# Altium PCB 智能车主板.PcbDoc (part 3 of 3)
Units mil, origin at the board's own origin, x right, y up, seen from the top; angles counter-clockwise.
Board outline 5500 x 3935 mil, 4 copper layers (Top, GND02, PWR03, Bottom), stack 23.756 mil thick; 203 components, 185 nets, 860 pads, 262 vias.
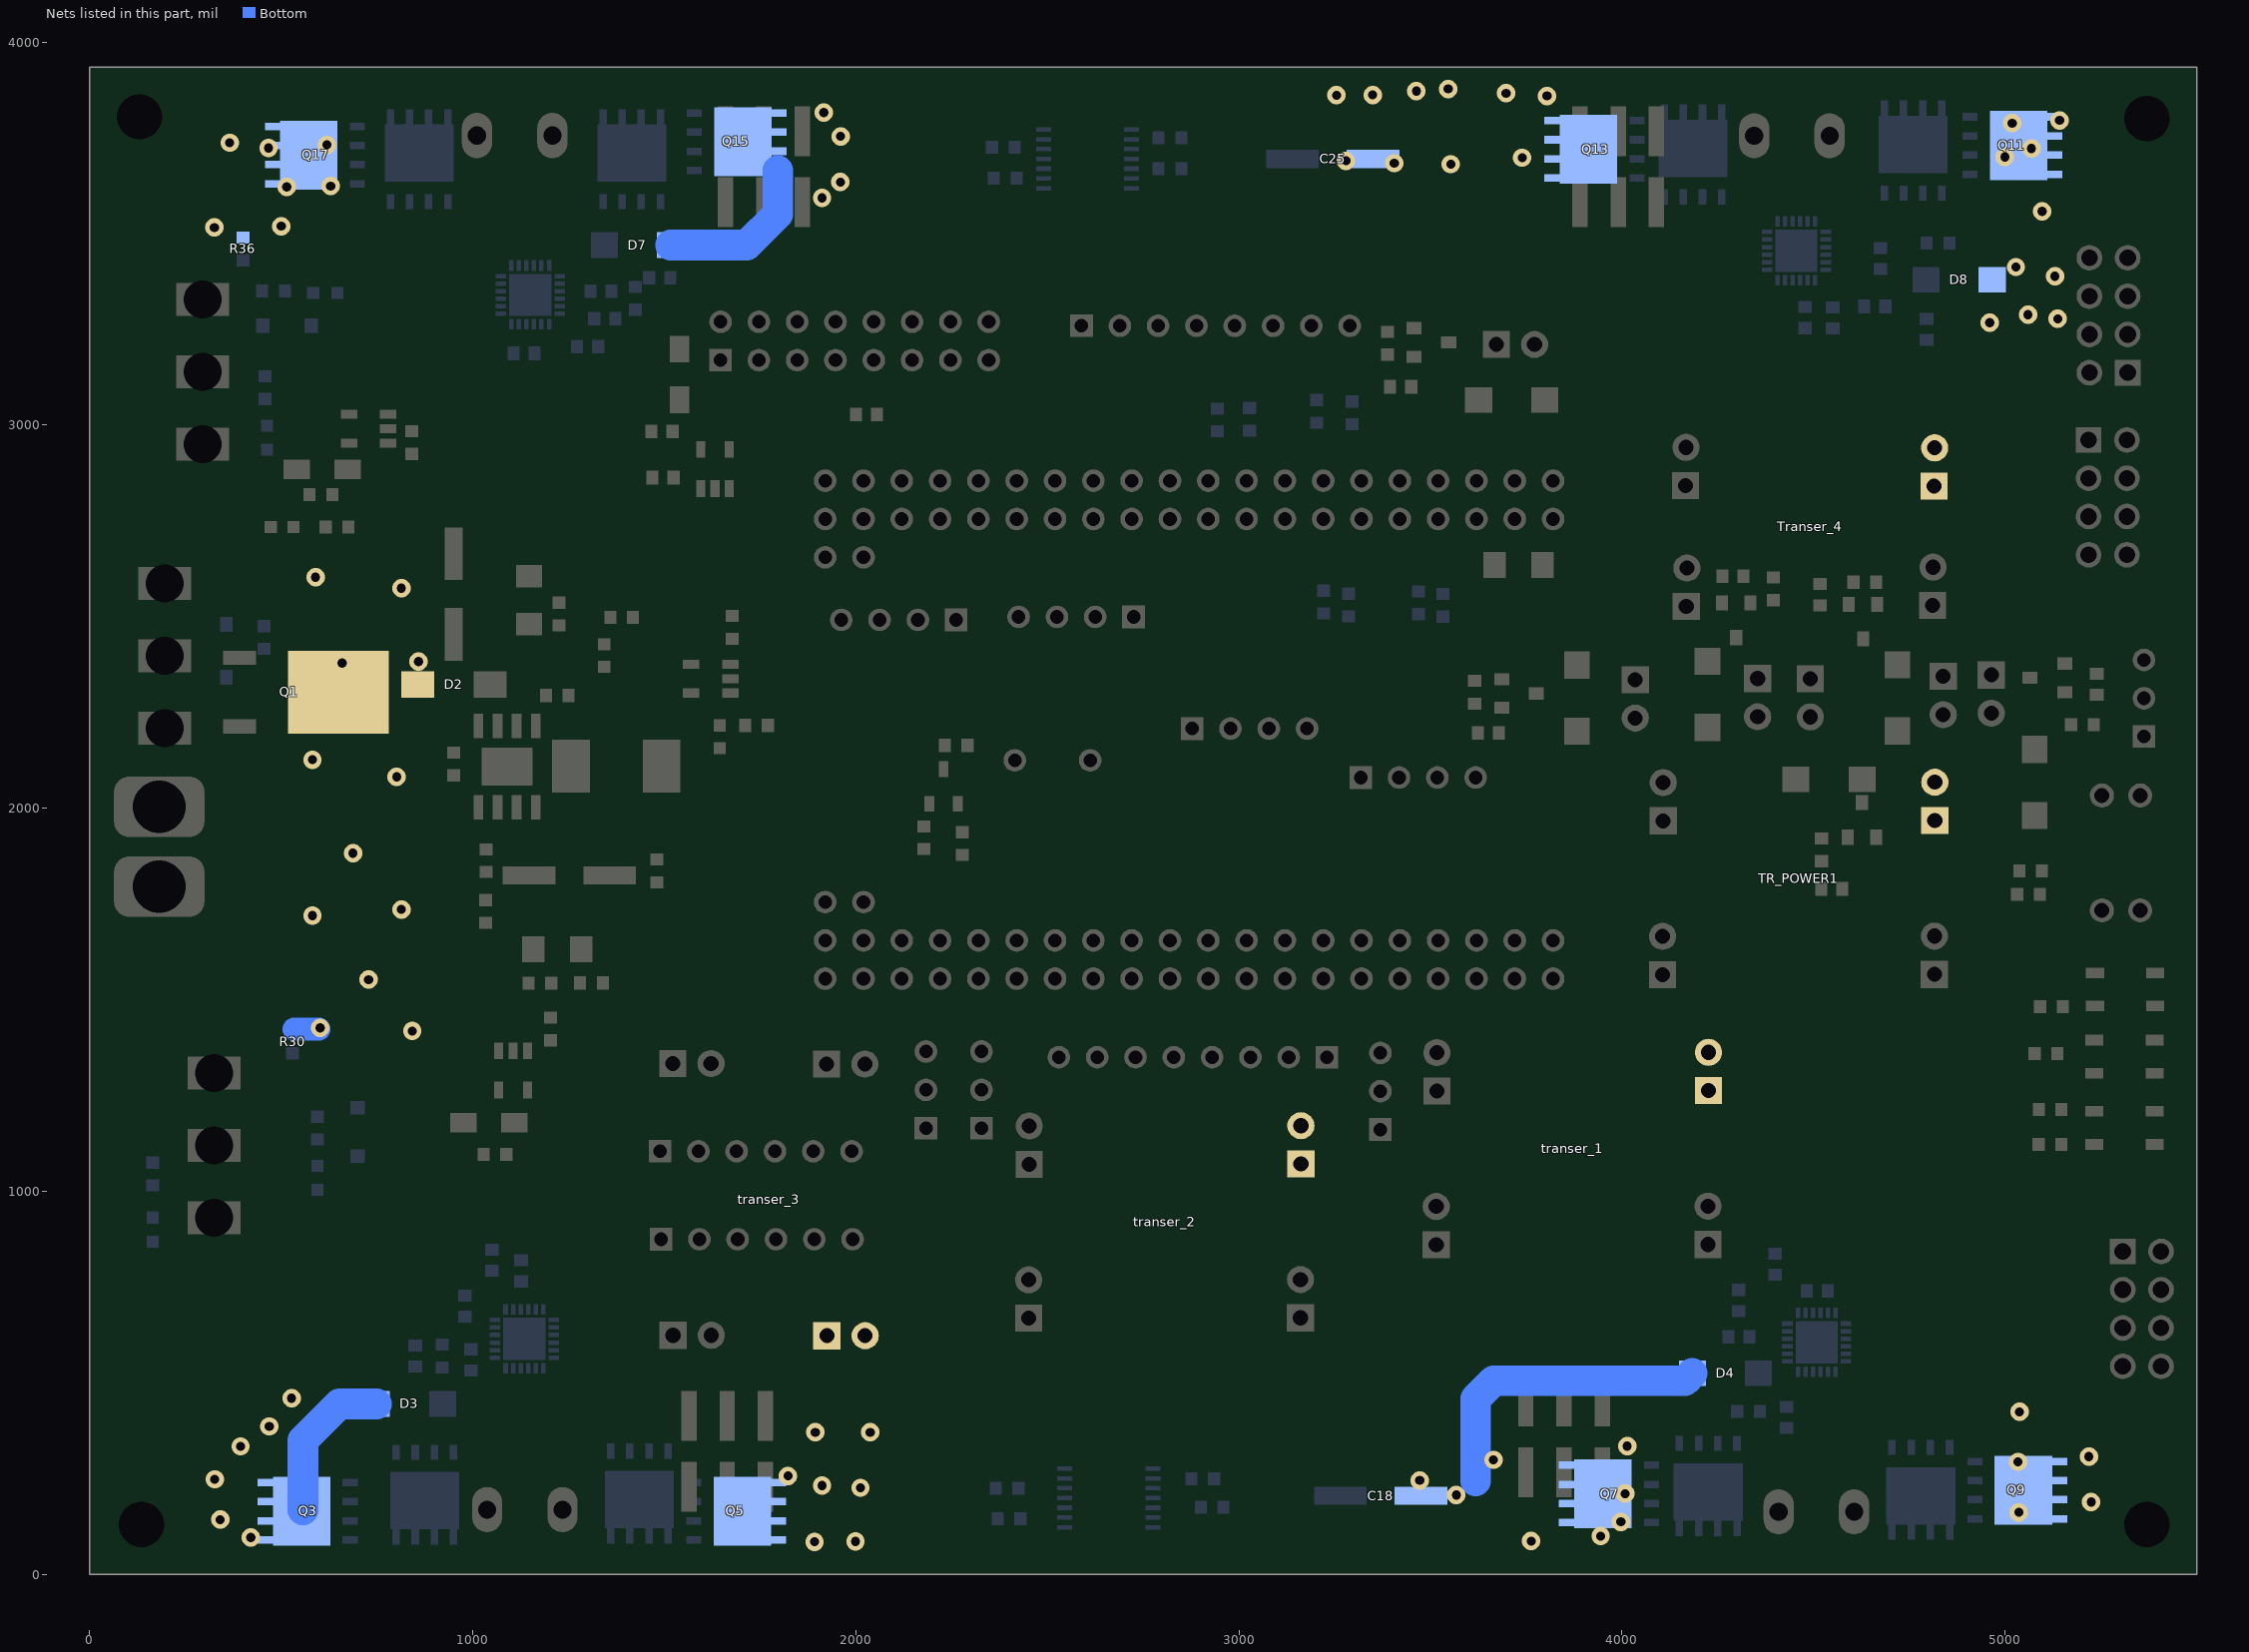
[diagram p5: the nets of this part, all layers, seen from the top]

## Via types
v1: diameter 48, hole 24, Top to Bottom, tented both sides, 262 vias

## Nets (pads, with @x,y where several pads share a name; then routed paths per layer and width w, separated by ;. In a path a pad name is that pad's centre, name@x,y a point inside that pad or via, vN(x,y) a via of type N, cw(c..) or ccw(c..) an arc to the next point about the centre after c; other vN are vias at no path point) (continued)
VCCBAT: C18.1 C25.1 D2.A D3.2 D4.2 D7.2 D8.2 Q1.1 Q3.5 Q3.6 Q3.7 Q3.8 Q3.9 Q5.5 Q5.6 Q5.7 Q5.8 Q5.9 Q7.5 Q7.6 Q7.7 Q7.8 Q7.9 Q9.5 Q9.6 Q9.7 Q9.8 Q9.9 Q11.5 Q11.6 Q11.7 Q11.8 Q11.9 Q13.5 Q13.6 Q13.7 Q13.8 Q13.9 Q15.5 Q15.6 Q15.7 Q15.8 Q15.9 Q17.5 Q17.6 Q17.7 Q17.8 Q17.9 R30.1 R36.1 TR_POWER1.7 TR_POWER1.8 transer_1.7 transer_1.8 transer_2.7 transer_2.8 transer_3.7 transer_3.8 Transer_4.1 Transer_4.2 | length 1728.5
  Bottom w12: R30.1@530,1419.66 R30.1@533.47,1423.13 ; Q3.9@553.23,164.97 Q3.9@556.7,168.44 ; v1@598.53,1423.13 v1(602,1426.6)
  Bottom w60: R30.1@533.47,1423.13 v1@598.53,1423.13
  Bottom w80: Q3.9@556.7,168.44 556.7,349.6 652.1,445 D3.2@748.68,445 ; D7.2@1516.32,3470 1715.3,3470 1796.33,3551.03 Q15.8@1796.33,3665.02 ; 3617.6,243.6 3617.6,458.44 3664.46,505.3 4163.98,505.3 D4.2@4183.68,525
  other v1: 1892.3,85 1999.1,85.8 3762.8,86.9 420.8,96.7 3944.24,99.9 3996.9,137.2 340.9,142.8 5035.8,161.9 5224.8,188.9 3567.4,207.2 4008.4,210.7 2012.2,226 1911.9,231.7 3472,245.3 326.6,248.2 1823.1,257 5033.8,293.8 3664.29,299 5218.6,307.3 394.1,334.2 4013.6,334.6 1894,371 2037.4,371 468.9,386.4 5037.5,424.4 527.2,460 842.2,1418.4 728.2,1552.7 581.7,1719.6 813.7,1735.9 687.5,1882.4 801.5,2081.9 581.7,2126.7 659,2379 858.5,2383.1 813.7,2574.4 589.8,2602.9 4959.6,3267.5 5137.5,3277.5 5059.8,3288.3 5130.2,3388.5 5028.2,3412.9 325.5,3516.1 500.1,3519.4 5096.8,3558.2 1911.74,3593.26 514.6,3622.1 629,3624.2 1959.8,3634.5 3553.2,3681.2 3405.3,3683.8 3279.6,3690.1 3739.4,3698.1 4999.4,3699.9 467,3723.5 5068.9,3722.5 619.4,3731.8 365.7,3737.3 1960.2,3753.9 5018.3,3788.4 5142,3795.6 1916.5,3816 3804.4,3859.4 3254.7,3861.2 3349.1,3862 3697.5,3866.5 3463.2,3871.8 3546,3877.7
pads on no net: K1.1 K2.1 K3.1 K4.1 P1.7 P1.8 P3.2 P3.8 P12.5 P12.6 P13.5 P13.6 P14.5 P14.6 P15.5 P15.6 receive_UART3.1 receive_UART3.3 receive_UART3.5 receive_UART3.7 S7.1 S9.1 U2.4 U2add.4 U4.9 U4.10 U4.11 U5.9 U5.10 U5.11 U7.9 U7.10 U7.11 U8.9 U8.10 U8.11 U10.3 U10.4 U10.7 U10.8 U10.21 U10.22 U10.31 U10.32 U10.35 U10.37 U10.48 U10.49 U10.65 U10.68 UCSI.4 wifi_uart3.7
copper on no net: | length 7.7
  Bottom w12: 1125.16,684.09 1125.16,691.77

## Polygon pours and split planes (outlines as drawn)
GND on Top "GND_L01_P173" (hatched Horizontal grid 4 track 5, remove dead copper, pour order 173): 0.01,3941.4 5492.5,3941.4 5492.5,0.7 5475.1,-16.7 -5.82,-16.7
GND on Top "GND_L01_P054" (hatched Horizontal grid 4 track 5, remove dead copper, pour order 54): 3653,2302.3 3658.6,2307.9 3765.7,2307.9 3850,2223.6 3850,2139.3 3660.2,2139.3 3656.6,2142.9
NetQsa4_1 on Top "NETQSA4_1_L01_P063" (hatched Horizontal grid 4 track 5, remove dead copper, pour order 63): 4648.2,2637.3 4738.1,2637.3 4741.6,2633.8 4737.6,2629.8 4737.6,2486 4634.7,2486 4630.7,2482
GND on Top "GND_L01_P170" (hatched Horizontal grid 4 track 5, remove dead copper, pour order 170): 1719.9,2610 1733.7,2596.2 1804.2,2596.2 1804.2,2483.5 1763.14,2442.44 1677.2,2442.44 1677.2,2443.1 1647.9,2472.4
GND on Top "GND_L01_P030" (hatched Horizontal grid 4 track 5, remove dead copper, pour order 30): 1055.1,1475.3 1056.2,1474.2 1186,1474.2 1236.8,1525 1239.3,1522.5 1310.7,1522.5 1310.7,1458.5 1259.5,1407.3 1150.9,1407.3 1123.1,1379.5 1127.8,1374.8 1127.8,1331.6 1090.5,1331.6 1084.7,1337.4 1084.7,1393.4 1057.6,1393.4 1054.7,1396.3
NetC1_1 on Top "NETC1_1_L01_P020" (hatched Horizontal grid 4 track 5, remove dead copper, pour order 20): 920.6,2523.6 1260.8,2523.6 1281.5,2502.9 1281.5,2345 1166.1,2345 1152.6,2331.5 1152.6,2168.4 1043.8,2168.4 1034,2178.2 1034,2246.4 938,2246.4 929,2255.4
GND on Top "GND_L01_P023" (hatched Horizontal grid 4 track 5, remove dead copper, pour order 23): 1087.4,1992.4 1219.1,1992.4 1260,1951.5 1260,1704.9 1210.5,1655.4 1210.5,1570.7 1153.75,1513.95 1007.36,1513.95 1007.36,1728.64 1007,1729 1031.1,1753.1 1065.8,1753.1 1065.8,1911.5 1068.2,1913.9
GND on Top "GND_L01_P022" (hatched Horizontal grid 4 track 5, remove dead copper, pour order 22): 917.6,2152.3 932.3,2152.3 1196.2,2152.3 1196.2,2009.1 1165.8,1978.7 892.2,1978.7
GND on Top "GND_L01_P146" (hatched Horizontal grid 4 track 5, remove dead copper, pour order 146): 3925.3,540 3918.7,533.4 3918.7,365.9 4116.2,365.9 4160.4,321.7 4161.3,322.6 4301.3,322.6 4301.3,520.1 4309.3,528.1
GND on Top "GND_L01_P070" (hatched Horizontal grid 4 track 5, remove dead copper, pour order 70): 3775.1,2889 3777.7,2886.4 3883.2,2886.4 3883.2,2664.3 3778.6,2559.7 3750.4,2559.7 3750.4,2707.6 3765.8,2723
GND on Top "GND_L01_P073" (hatched Horizontal grid 4 track 5, remove dead copper, pour order 73): 5224.5,2429.9 5222.3,2427.7 5222.3,2324 5253.3,2324 5273,2304.3 5273,2255.7 5403.9,2255.7 5413.8,2265.6 5400.06,2279.34 5400.06,2340.84 5308.9,2432
GND on Top "GND_L01_P160" (hatched Horizontal grid 4 track 5, remove dead copper, pour order 160): 4629,1985.6 4629,1932.4 4557.1,1860.5 4557.1,1762.6 4662.2,1762.6 4750.7,1851.1 4750.7,1989.1
VCC_5V_EXT on Top "VCC_5V_EXT_L01_P043" (hatched Horizontal grid 4 track 5, remove dead copper, pour order 43): 1605,2313.7 1607.4,2311.3 1753.7,2311.3 1753.7,2433 1801.4,2480.7 1954.3,2480.7 1954.3,2178.1 1905,2128.8 1903.4,2130.4 1821.23,2130.4 1605,2243.4
DVDD on Top "DVDD_L01_P134" (hatched Horizontal grid 4 track 5, remove dead copper, pour order 134): 3941,841.4 3941,608.4 3960.9,588.5 4391.9,588.5 4526.4,723 4522.1,727.3 4522.1,855.1
GND on Top "GND_L01_P171" (hatched Horizontal grid 4 track 5, remove dead copper, pour order 171): 1368.9,3642 1382.2,3628.7 1382.2,3519.1 1667.9,3519.1 1677.1,3528.3 1677.1,3657.8
GND on Top "GND_L01_P039" (hatched Horizontal grid 4 track 5, remove dead copper, pour order 39): 1652.8,2611.5 1653.1,2611.2 1737.1,2611.2 1737.1,2490.8 1717.3,2471 1715.9,2472.4 1647.9,2472.4
GND on Top "GND_L01_P169" (hatched Horizontal grid 4 track 5, remove dead copper, pour order 169): 1448.9,2873.6 1448.9,2731.4 1463.2,2717.1 1509.2,2717.1 1509.2,2890.6
GND on Top "GND_L01_P168" (hatched Horizontal grid 4 track 5, remove dead copper, pour order 168): 1618.1,2868.6 1618.1,2801.4 1579.4,2762.7 1579.4,2690.5 1677.2,2690.5 1669.7,2698 1669.7,2866.7
GND on Top "GND_L01_P163" (hatched Horizontal grid 4 track 5, remove dead copper, pour order 163): 5212.2,1279.6 5212.2,1165.4 5222.8,1154.8 5224,1156 5440.7,1156 5440.7,1283.8 5430.7,1293.8
GND on Top "GND_L01_P162" (hatched Horizontal grid 4 track 5, remove dead copper, pour order 162): 5176.9,1440.4 5198.7,1418.6 5198.7,1341.5 5455.4,1341.5 5459.5,1345.6 5459.5,1453.9
GND on Top "GND_L01_P161" (hatched Horizontal grid 4 track 5, remove dead copper, pour order 161): 5181,1648.8 5181,1522.2 5191.6,1511.6 5195.8,1515.8 5431.8,1515.8 5431.8,1638.3 5422.4,1647.7
GND on Top "GND_L01_P158" (hatched Horizontal grid 4 track 5, remove dead copper, pour order 158): 3747.9,3625.5 3774.3,3599.1 3774.3,3441.2 3939.3,3441.2 3939.3,3648.4
DVDD1 on Top "DVDD1_L01_P106" (hatched Horizontal grid 4 track 5, remove dead copper, pour order 106): 2294.5,3831.6 2296.3,3833.4 2665.7,3833.4 2665.7,3421.1 2542.5,3297.9 1627,3297.9 1610.9,3314 1593.1,3296.2 1423.6,3296.2 1562.3,3297.9 1260.6,3100.6 1257.1,3104.1 1107,3104.1 1107,3281.1 1116.2,3290.3 1171,3290.3 1370.45,3489.75 2371,3473.1 2409.4,3511.5 2388.4,3532.5 2388.4,3593
GND on Top "GND_L01_P150" (hatched Horizontal grid 4 track 5, remove dead copper, pour order 150): 2255,2056.2 2245.4,2046.6 2245.4,1931.3 2447.1,1931.3 2491.8,1976 2491.8,2064.7
GND on Top "GND_L01_P136" (hatched Horizontal grid 4 track 5, remove dead copper, pour order 136): 1568.2,661.5 1568.2,547.8 1622.8,493.2 1708.5,493.2 1746.3,455.4 1746.3,347 1810.8,347 1866.1,402.3 1863,405.4 1863,658.5
R_EN on Top "R_EN_L01_P130" (hatched Horizontal grid 4 track 5, remove dead copper, pour order 130): 2703.6,416.3 2717.2,402.7 2717.2,274.4 2957.5,274.4 3032.3,349.2 3032.3,441.7
GND on Top "GND_L01_P110" (hatched Horizontal grid 4 track 5, remove dead copper, pour order 110): 1503.5,3253.5 1329.9,3140.4 1260.6,3100.6 1260.6,3091.9 1443.8,2908.7 1446.1,2911 1495,2911 1495,3073 1596.5,3174.5 1596.5,3286.1
new3V3 on Top "NEW3V3_L01_P028" (hatched Horizontal grid 4 track 5, remove dead copper, pour order 28): 610.9,2968.6 739.1,2968.6 741.9,2971.4 756.1,2957.2 756.1,2784.4 609.5,2784.4 606.6,2787.3
GND on Top "GND_L01_P091" (hatched Horizontal grid 4 track 5, remove dead copper, pour order 91): 1621.8,2178.9 1788,2178.9 1814.5,2152.4 1814.5,2022.6 1617.6,2022.6 1612.4,2027.8
GND on Top "GND_L01_P041" (hatched Horizontal grid 4 track 5, remove dead copper, pour order 41): 1621.8,2178.9 1623.8,2176.9 1718.1,2176.9 1718.1,2060.8 1618.9,2060.8 1618.18,2060.8
VCC_5V on Top "VCC_5V_L01_P037" (hatched Horizontal grid 4 track 5, remove dead copper, pour order 37): 1432.6,2237.7 1436.4,2233.9 1599.1,2233.9 1599.1,1880.7 1552.4,1834 1527.2,1859.2 1316.5,1859.2
GND on Top "GND_L01_P040" (hatched Horizontal grid 4 track 5, remove dead copper, pour order 40): 1602.23,2397.77 1653.33,2397.77 1655.1,2396 1652.3,2393.2 1652.3,2368.6 1681.1,2368.6 1719.5,2407 1764.2,2407 1780,2391.2 1780,2320.5 1611.8,2320.5 1605,2313.7
NetC4_1 on Top "NETC4_1_L01_P018" (hatched Horizontal grid 4 track 5, remove dead copper, pour order 18): 1230.7,2310.3 1356.3,2310.3 1398.2,2268.4 1398.2,2050.4 1207.6,2050.4 1210.9,2053.7 1210.9,2173.1
GND on Top "GND_L01_P034" (hatched Horizontal grid 4 track 5, remove dead copper, pour order 34): 754.1,3011.2 757.7,3007.6 830.1,3007.6 867,3044.5 870.7,3040.8 1020,3040.8 1020,2957.9 990.4,2928.3 762.5,2928.3
C4 on Top "C4_L01_P075" (hatched Horizontal grid 4 track 5, remove dead copper, pour order 75): 5116.3,1287.7 5116.7,1288.1 5199.6,1288.1 5199.6,1148.8 5192.7,1141.9 5186.5,1148.1 5129.4,1148.1 5129.4,1113.9 5118.8,1103.3 5067.2,1103.3 5067.2,1153.1 5069.4,1155.3
C27 on Top "C27_L01_P077" (hatched Horizontal grid 4 track 5, remove dead copper, pour order 77): 5025.6,1530.9 5026.1,1530.4 5137.8,1530.4 5137.8,1457.8 5108.1,1428.1 5024.4,1428.1
Servo_VCC_2 on Top "SERVO_VCC_2_L01_P045" (hatched Horizontal grid 4 track 5, remove dead copper, pour order 45): 2268.8,1338.4 2269.7,1337.5 2459.3,1298.7 2501.9,1016.3 2497.3,1011.7 2378.9,1011.7 2372.5,1005.3 2365.2,1012.6 2365.2,1194.3 2268.8,1194.3 2267.9,1195.2
D4 on Top "D4_L01_P074" (hatched Horizontal grid 4 track 5, remove dead copper, pour order 74): 4923.9,1807.1 4928.5,1802.5 5054.3,1802.5 5054.3,1685 5044.2,1674.9 4907.4,1674.9
GND on Top "GND_L01_P072" (hatched Horizontal grid 4 track 5, remove dead copper, pour order 72): 5045.7,2480.6 5052.1,2474.2 5188.9,2474.2 5188.9,2345.1 5173.8,2330 5171,2332.8 5115,2332.8 5043.6,2404.2
Servo_VCC_1 on Top "SERVO_VCC_1_L01_P046" (hatched Horizontal grid 4 track 5, remove dead copper, pour order 46): 3335.4,1306.7 3403,1331 3413.3,1341.3 3413.3,1436.1 3690.7,1436.1 3719.8,1407 3719.8,1198.2 3344.98,1198.2
VCC_5V on Top "VCC_5V_L01_P069" (hatched Horizontal grid 4 track 5, remove dead copper, pour order 69): 3560.4,2895.5 3565.5,2890.4 3675,2890.4 3675,2700.5 3693.8,2681.7 3693.8,2594.5 3688.8,2594.5 3586.1,2491.8 3574.1,2503.8 3546.7,2503.8
VCC_5V on Top "VCC_5V_L01_P068" (hatched Horizontal grid 4 track 5, remove dead copper, pour order 68): 1025.9,2931.9 1038.5,2944.5 1038.5,3029.1 1271.2,3029.1 1445.5,2854.8 1445.5,2543.82
VCC_OUT on Top "VCC_OUT_L01_P066" (hatched Horizontal grid 4 track 5, remove dead copper, pour order 66): 4862.4,2115.1 4869.5,2108 4869.5,1935.3 5124.2,1935.3 5131.4,1942.5 5131.4,2060.3 5026.7,2060.3 4998.1,2088.9 4998.1,2140.1
NetDsa5_2 on Top "NETDSA5_2_L01_P065" (hatched Horizontal grid 4 track 5, remove dead copper, pour order 65): 4907.6,2415.1 5118.3,2415.1 5124.3,2409.1 5124.3,2090.1 5029.1,2090.1 5023.1,2084.1 4995.7,2111.5 4995.7,2217.5 4954,2217.5 4892.1,2279.4
VCC_OUT on Top "VCC_OUT_L01_P064" (hatched Horizontal grid 4 track 5, remove dead copper, pour order 64): 4685,2267.5 4686.2,2268.7 4994.5,2268.7 4994.5,2119.9 4973,2098.4 4662.4,2098.4
GND on Top "GND_L01_P062" (hatched Horizontal grid 4 track 5, remove dead copper, pour order 62): 4434.1,2558.3 4436.9,2555.5 4639.3,2555.5 4639.3,2388.2 4585.2,2334.1 4395.5,2334.1
NetDsa4_2 on Top "NETDSA4_2_L01_P061" (hatched Horizontal grid 4 track 5, remove dead copper, pour order 61): 4602.9,2485.1 4603.5,2484.5 4902.5,2484.5 4902.5,2318.4 4866.5,2282.4 4707.6,2282.4 4589.86,2400.14
VCC_OUT on Top "VCC_OUT_L01_P059" (hatched Horizontal grid 4 track 5, remove dead copper, pour order 59): 4302.5,2286.7 4324.9,2264.3 4555,2264.3 4555,2060.5 4508.2,2013.7 4500.8,2021.1 4222.1,2021.1
VCC_OUT on Top "VCC_OUT_L01_P058" (hatched Horizontal grid 4 track 5, remove dead copper, pour order 58): 3994.4,2274.7 3999.2,2269.9 4390,2269.9 4390,2158.7 4149.1,1917.8 4031.1,1917.8
NetQsa2_1 on Top "NETQSA2_1_L01_P057" (hatched Horizontal grid 4 track 5, remove dead copper, pour order 57): 4301.7,2574.4 4306.9,2569.2 4430.1,2569.2 4430.1,2483 4427.1,2480 4303.4,2480
GND on Top "GND_L01_P056" (hatched Horizontal grid 4 track 5, remove dead copper, pour order 56): 4076.89,2660.7 4248.8,2660.7 4288.8,2620.7 4288.8,2480 4084.1,2480 4083,2478.9
NetDsa2_2 on Top "NETDSA2_2_L01_P055" (hatched Horizontal grid 4 track 5, remove dead copper, pour order 55): 4178.9,2466.9 4192.8,2466.9 4402.3,2466.9 4402.3,2312.4 4392.2,2302.3 4391.5,2303 4178.9,2303
GND on Top "GND_L01_P053" (hatched Horizontal grid 4 track 5, remove dead copper, pour order 53): 3428.4,3196 3431.8,3192.6 3516.6,3192.6 3581.1,3128.1 3581.1,3042.6 3435.9,3042.6 3427.7,3050.8
DCT_VCC_12 on Top "DCT_VCC_12_L01_P052" (hatched Horizontal grid 4 track 5, remove dead copper, pour order 52): 3722.4,3259 3910.5,3259 3914.7,3263.2 3930.5,3247.4 3930.5,3015.2 3739.2,3015.2 3730.8,3023.6
DCT_VCC_12 on Top "DCT_VCC_12_L01_P051" (hatched Horizontal grid 4 track 5, remove dead copper, pour order 51): 3752.9,3110.8 3761.3,3102.4 4234.2,3102.4 4234.2,2824.9 4208,2798.7 3982,2798.7 3833.8,2946.9 3751.8,2946.9
Servo_VCC_3 on Top "SERVO_VCC_3_L01_P044" (hatched Horizontal grid 4 track 5, remove dead copper, pour order 44): 1889.9,1369.6 1892.6,1366.9 1892.6,1209 2261.5,1209 2261.5,1346.6 2145,1346.6 2117.4,1374.2
VCC_5V on Top "VCC_5V_L01_P025" (hatched Horizontal grid 4 track 5, remove dead copper, pour order 25): 1278.8,2170.1 1283.2,2174.5 1550.95,2174.5 1488.59,1791.67 1339.9,1525.4 1208.2,1525.4 1190.5,1543.1
GND on Top "GND_L01_P036" (hatched Horizontal grid 4 track 5, remove dead copper, pour order 36): 1291.3,2413.4 1292,2412.7 1395.8,2412.7 1395.8,2299.6 1391.7,2295.5 1389.9,2297.3 1259.1,2297.3
GND on Top "GND_L01_P033" (hatched Horizontal grid 4 track 5, remove dead copper, pour order 33): 910.6,1251.1 916.2,1245.5 1050.5,1245.5 1050.5,1059.4 1044.1,1053 876.7,1053 876.7,1225.3 883.1,1231.7
3V3 on Top "3V3_L01_P032" (hatched Horizontal grid 4 track 5, remove dead copper, pour order 32): 1089.5,1284.8 1188.6,1284.8 1197.6,1275.8 1197.6,1071.8 1186.7,1060.9 1179.7,1067.9 1057.5,1067.9 1057.5,1214.5 1069.6,1226.6
VCC_5V on Top "VCC_5V_L01_P031" (hatched Horizontal grid 4 track 5, remove dead copper, pour order 31): 1125.1,1416.6 1136.3,1405.4 1288.5,1405.4 1288.5,1331.1 1275.3,1324.5 1251.3,1324.5 1120.6,1324.5
GND on Top "GND_L01_P029" (hatched Horizontal grid 4 track 5, remove dead copper, pour order 29): 407.6,2922.6 421.1,2909.1 596.7,2909.1 596.7,2777.3 597.4,2776.6 376.4,2776.6
GND on Top "GND_L01_P026" (hatched Horizontal grid 4 track 5, remove dead copper, pour order 26): 875,2803.4 884,2812.4 1126.1,2812.4 1126.1,2810.1 1329.9,2606.3 1329.9,2499.4 894.2,2499.4 871.7,2476.9
NetC4_1 on Top "NETC4_1_L01_P019" (hatched Horizontal grid 4 track 5, remove dead copper, pour order 19): 1154.1,2036.4 1175.3,2036.4 1197.5,2058.6 1197.5,2181.9 1204.1,2188.5 1329.4,2188.5 1329.4,2045.1 1245.6,1961.3 1155.6,1961.3
NetC4_2 on Top "NETC4_2_L01_P017" (hatched Horizontal grid 4 track 5, remove dead copper, pour order 17): 1155.6,2312.7 1158.9,2309.4 1213.3,2309.4 1213.3,2197.7 1197.9,2182.3 1154.1,2182.3
VCCBAT on Top "VCCBAT_L01_P016" (hatched Horizontal grid 4 track 5, remove dead copper, pour order 16): 476.9,2690.1 890.6,2690.1 911.6,2669.1 911.6,1324.8 501.3,1324.8
CSI_3V3 on Top "CSI_3V3_L01_P014" (hatched Horizontal grid 4 track 5, remove dead copper, pour order 14): 1593.7,3203.6 1670.4,3203.6 1683.1,3190.9 1683.1,2914.6 1510,2914.6 1500.5,2924.1 1500.5,3107.8
VCC_5V on Top "VCC_5V_L01_P013" (hatched Horizontal grid 4 track 5, remove dead copper, pour order 13): 1503.9,2882.6 1506.2,2873.4 1506.2,2778.9 1609.1,2778.9 1609.1,2874.06
NetQ1_2 on Top "NETQ1_2_L01_P001" (hatched Horizontal grid 4 track 5, remove dead copper, pour order 1): 123.26,2509.2 431.3,2509.2 500.4,2440.1 500.4,2296.9 96.9,2296.9 94.1,2299.7
NetD1_K on Top "NETD1_K_L01_P000" (hatched Horizontal grid 4 track 5, remove dead copper, pour order 0): 36,2276.3 83.7,2324 410.5,2324 492,2242.5 492,1908.3 455.5,1871.8 32.3,1871.8
GND on Bottom "GND_L04_P174" (hatched Horizontal grid 4 track 5, remove dead copper, pour order 174): -11.2,3944.4 5495.6,3944.4 5515.5,3924.5 5502.3,3911.3 5502.3,-8 28.6,-8 -4.6,-41.2
VCCBAT on Bottom "VCCBAT_L04_P101" (hatched Horizontal grid 4 track 5, remove dead copper, pour order 101): 4927.1,3429.1 4905.5,3244.9 4912.7,3237.7 5142,3237.7 5179.9,3275.6 5179.9,3494.1
GND on Bottom "GND_L04_P155" (hatched Horizontal grid 4 track 5, remove dead copper, pour order 155): 2682.6,3635.8 2682.6,3561.2 2697.2,3546.6 2848.6,3546.6 2848.6,3615.9 2825.3,3639.2
"L B" on Bottom "L_B_L04_P120" (hatched Horizontal grid 4 track 5, remove dead copper, pour order 120): 1188.8,567 1158.1,536.3 1158.1,78.9 1211.1,25.9 1222.3,37.1 1619.7,37.1 1619.7,233.7 1559.7,293.7 1338,293.7 1329.7,302 1362.73,335.03 1362.73,585.47
GND on Bottom "GND_L04_P172" (hatched Horizontal grid 4 track 5, remove dead copper, pour order 172): 1365.2,569.4 1365.2,389.9 1361.4,386.1 1381.9,365.6 1530.6,365.6 1530.6,449.4 1401.6,578.4
NetC12_2 on Bottom "NETC12_2_L04_P115" (hatched Horizontal grid 4 track 5, remove dead copper, pour order 115): 809.4,563.5 810.9,562 810.9,439.4 862.3,388 960.4,388 1095.3,522.9 1079.4,538.8 1079.4,576.4 812.3,576.4 806.1,570.2
"L A" on Bottom "L_A_L04_P114" (hatched Horizontal grid 4 track 5, remove dead copper, pour order 114): 1095.3,548.3 1095.3,522.9 960.4,388 960.4,304 935.6,279.2 662.3,279.2 662.3,113.29 659.86,110.84 721.17,49.53 1118.33,49.53 1118.33,555.83 1118.9,556.4
GND on Bottom "GND_L04_P167" (hatched Horizontal grid 4 track 5, remove dead copper, pour order 167): 619.4,3383.5 619.4,3354 540.6,3275.2 643.7,3172.1 773,3172.1 805.8,3204.9 803.2,3207.5 803.2,3369.1
GND on Bottom "GND_L04_P166" (hatched Horizontal grid 4 track 5, remove dead copper, pour order 166): 1012.5,3214.4 1002.4,3204.3 1002.4,3109.4 1111.7,3109.4 1119.2,3116.9 1119.2,3234.4
GND on Bottom "GND_L04_P165" (hatched Horizontal grid 4 track 5, remove dead copper, pour order 165): 4206.7,891.8 4428.5,891.8 4432.7,896 4438.15,890.55 4438.15,820.6 4212.7,820.6 4209.4,823.9
GND on Bottom "GND_L04_P164" (hatched Horizontal grid 4 track 5, remove dead copper, pour order 164): 4510.9,810 4521.1,799.8 4521.1,703.4 4564.6,703.4 4590.3,729.1 4590.3,827
GND on Bottom "GND_L04_P159" (hatched Horizontal grid 4 track 5, remove dead copper, pour order 159): 4818.4,3522.1 4836.8,3503.7 4836.8,3385.9 5105.2,3385.9 5124.2,3404.9 5124.2,3530.6
GND on Bottom "GND_L04_P157" (hatched Horizontal grid 4 track 5, remove dead copper, pour order 157): 2909.6,3907.5 2963.8,3853.3 2963.8,3686.9 2999.5,3651.2 3198.1,3651.2 3198.1,3891.8 3178.1,3911.8
GND on Bottom "GND_L04_P156" (hatched Horizontal grid 4 track 5, remove dead copper, pour order 156): 2807.7,3695.8 2807.7,3604.2 2812.6,3599.3 2817.5,3604.2 2986.6,3604.2 2986.6,3650.6 2927.65,3709.55 2806.65,3709.55 2806,3708.9
GND on Bottom "GND_L04_P154" (hatched Horizontal grid 4 track 5, remove dead copper, pour order 154): 2237.1,3925.4 2253,3909.5 2253,3742 2311.6,3742 2369.5,3684.1 2923.9,3684.1 2873,3735 2873,3926.4
GND on Bottom "GND_L04_P152" (hatched Horizontal grid 4 track 5, remove dead copper, pour order 152): 2166.4,3673.5 2167,3672.9 2381.2,3672.9 2381.2,3609.9 2378.6,3607.3 2373.9,3612 2157.7,3612
GND on Bottom "GND_L04_P151" (hatched Horizontal grid 4 track 5, remove dead copper, pour order 151): 2204.6,3783.3 2204.6,3703.6 2212.6,3695.6 2213.3,3696.3 2369.2,3696.3 2369.2,3778.6 2368.5,3779.3
GND on Bottom "GND_L04_P148" (hatched Horizontal grid 4 track 5, remove dead copper, pour order 148): 110.5,891.3 110.5,752 231.7,752 238.6,745.1 238.6,887.8
GND on Bottom "GND_L04_P147" (hatched Horizontal grid 4 track 5, remove dead copper, pour order 147): 683.4,1149 560,1025.6 560,957.8 582.9,934.9 844.1,934.9 844.1,1156.6 835.8,1164.9
GND on Bottom "GND_L04_P145" (hatched Horizontal grid 4 track 5, remove dead copper, pour order 145): 3280.6,425.2 3174.3,318.9 3147,318.9 3147,60.6 3394.2,60.6 3394.2,378.7 3352.2,420.7
GND on Bottom "GND_L04_P144" (hatched Horizontal grid 4 track 5, remove dead copper, pour order 144): 2728.01,158.7 2850.5,158.7 2850.5,148.5 2751.8,49.8 2696.1,49.8 2696.1,129.3 2699.7,132.9
GND on Bottom "GND_L04_P143" (hatched Horizontal grid 4 track 5, remove dead copper, pour order 143): 2678.6,258.1 2686.7,250 2875.68,250 2875.68,158.78 2673.71,158.78
GND on Bottom "GND_L04_P142" (hatched Horizontal grid 4 track 5, remove dead copper, pour order 142): 2911,306.8 2911,149.6 2913.6,147 3043.2,147 3043.2,322.1 3045.5,324.4
GND on Bottom "GND_L04_P141" (hatched Horizontal grid 4 track 5, remove dead copper, pour order 141): 2515.2,214.1 2515.2,184.7 2653,184.7 2653.5,184.2 2660.1,190.8 2660.1,256.7
GND on Bottom "GND_L04_P140" (hatched Horizontal grid 4 track 5, remove dead copper, pour order 140): 2470.8,370 2470.8,278.2 2486.5,262.5 2487.9,263.9 2590.8,263.9 2590.8,372.4 2588.4,374.8
GND on Bottom "GND_L04_P139" (hatched Horizontal grid 4 track 5, remove dead copper, pour order 139): 2397.4,123.5 2514.1,123.5 2526.1,135.5 2527.6,134 2572.8,134 2572.8,53.4 2556.6,37.2 2396.7,37.2
GND on Bottom "GND_L04_P137" (hatched Horizontal grid 4 track 5, remove dead copper, pour order 137): 2207,157.5 2207,71.8 2232.9,45.9 2411.1,45.9 2411.1,164.2 2411.6,164.7
GND on Bottom "GND_L04_P135" (hatched Horizontal grid 4 track 5, remove dead copper, pour order 135): 2199.5,311.3 2199.5,307.6 2320.1,187 2323.9,190.8 2402.7,190.8 2402.7,284.1 2352,334.8 2197.3,334.8
DVDD on Bottom "DVDD_L04_P133" (hatched Horizontal grid 4 track 5, remove dead copper, pour order 133): 3913.5,854.7 3911.8,853 3911.8,601.4 4224.3,601.4 4240.5,617.6 4240.5,849.8
DVDD on Bottom "DVDD_L04_P132" (hatched Horizontal grid 4 track 5, remove dead copper, pour order 132): 4427.55,810 4408.2,772.3 4408.2,726.4 4459.3,675.3 4459.3,672 4485.4,672 4490,667.4 4510.9,688.3 4510.9,810
R_EN on Bottom "R_EN_L04_P129" (hatched Horizontal grid 4 track 5, remove dead copper, pour order 129): 2709.6,358.3 2706.3,355 2706.3,259 2813,259 2833.9,279.9 2833.9,387.8 2708.9,387.8
"R A" on Bottom "R_A_L04_P121" (hatched Horizontal grid 4 track 5, remove dead copper, pour order 121): 4046.08,299.42 4049.6,295.91 4049.6,159.38 4096.22,159.38 4135.83,119.77 4135.83,27.6 4362.1,27.6 4498.2,163.7 4498.2,540.5 4495.2,543.5 4489.7,538 4458.3,538 4458.3,416.83 4448.5,407.03 4448.5,353.9 4399.4,304.8 4289,304.8
VCCBAT on Bottom "VCCBAT_L04_P122" (hatched Horizontal grid 4 track 5, remove dead copper, pour order 122): 3415.7,351 3417.5,352.8 4024.9,352.8 4024.9,123.1 3969.5,67.7 3419.2,67.7 3419.2,109.3 3394.1,134.4
VCCBAT on Bottom "VCCBAT_L04_P128" (hatched Horizontal grid 4 track 5, remove dead copper, pour order 128): 1631.5,388.2 1632.3,387.4 1632.3,67.9 2048.9,67.9 2067.6,86.6 2067.6,386.6
"R B" on Bottom "R_B_L04_P126" (hatched Horizontal grid 4 track 5, remove dead copper, pour order 126): 4561.9,572.8 4565.05,575.95 4681.75,575.95 4681.75,274.45 4688.3,281 4911.5,281 4951.64,240.87 4951.64,53.54 4561.9,53.54 4561.9,65 4542,84.9
VCCBAT on Bottom "VCCBAT_L04_P127" (hatched Horizontal grid 4 track 5, remove dead copper, pour order 127): 4990.2,470.4 4974.3,470.4 4974.3,60.2 5253.7,50.5 5263.4,60.2 5263.4,470.4
GND on Bottom "GND_L04_P125" (hatched Horizontal grid 4 track 5, remove dead copper, pour order 125): 4684.4,443.4 4687.3,440.5 4687.3,287 4826.7,287 4845.7,306 4845.7,489.2 4700.3,489.2 4698.3,491.2
NetC19_2 on Bottom "NETC19_2_L04_P124" (hatched Horizontal grid 4 track 5, remove dead copper, pour order 124): 4240.2,630.9 4245.7,625.4 4245.7,546.5 4327.22,464.98 4327.22,392.58 4356.22,392.58 4366.8,382 4396.73,411.93 4453.4,411.93 4453.4,550.6 4463.4,560.6 4450.6,573.4 4323.4,573.4 4323.4,604.6 4291.6,636.4
GND on Bottom "GND_L04_P123" (hatched Horizontal grid 4 track 5, remove dead copper, pour order 123): 4204.5,485.2 4218.92,470.78 4305.42,470.78 4305.42,451.38 4327.22,429.58 4327.22,392.58 4434.05,392.58 4448.5,407.03 4453.7,401.83 4453.7,306.6 4100.9,306.6 4117.1,322.8 4117.1,435.8
GND on Bottom "GND_L04_P119" (hatched Horizontal grid 4 track 5, remove dead copper, pour order 119): 1335.2,433.1 1335.2,289.5 1343.6,281.1 1522.1,281.1 1522.1,417.8 1501.2,438.7
GND on Bottom "GND_L04_P117" (hatched Horizontal grid 4 track 5, remove dead copper, pour order 117): 758.4,724.3 758.4,597.8 775.6,580.6 955.6,580.6 955.6,698.7 941.3,713
GND on Bottom "GND_L04_P116" (hatched Horizontal grid 4 track 5, remove dead copper, pour order 116): 940.7,935.1 944.3,931.5 944.3,818.7 1059.6,818.7 1085.7,792.6 1241.2,792.6 1257.3,808.7 1257.3,942.9
GND on Bottom "GND_L04_P113" (hatched Horizontal grid 4 track 5, remove dead copper, pour order 113): 757.8,484.4 850.4,391.8 929.77,391.8 950.6,370.97 950.6,294.2 938.8,294.2 913.1,268.5 615,268.5 608.6,274.9 609.8,276.1 609.8,383.1
VCCBAT on Bottom "VCCBAT_L04_P112" (hatched Horizontal grid 4 track 5, remove dead copper, pour order 112): 481.1,480.5 306.1,305.5 294.9,305.5 294.9,63.9 326.7,32.1 612.26,32.1 612.26,445.86 651,484.6
NetC27_2 on Bottom "NETC27_2_L04_P111" (hatched Horizontal grid 4 track 5, remove dead copper, pour order 111): 1293.2,3489.2 1214.9,3410.9 1214.2,3410.9 1214.2,3378.1 1220.5,3371.8 1302.8,3371.8 1302.8,3344.96 1331.16,3316.6 1483.1,3316.6 1483.1,3409.6 1386.8,3505.9 1383,3505.9
VCCBAT on Bottom "VCCBAT_L04_P085" (hatched Horizontal grid 4 track 5, remove dead copper, pour order 85): 1655.2,3882.1 1627.9,3854.8 1627.9,3659.9 1670.5,3617.3 1670.5,3525.4 1917.4,3525.4 2006.2,3614.2 2002.9,3617.5 2002.9,3862.1 1976.6,3888.4
"R A1" on Bottom "R_A1_L04_P084" (hatched Horizontal grid 4 track 5, remove dead copper, pour order 84): 1157.4,3851.3 1530.67,3861.1 1530.67,3858.03 1609.3,3779.4 1609.3,3641.3 1590.5,3641.3 1570.9,3621.7 1351.5,3621.7 1351.5,3573.9 1402.9,3522.5 1277.6,3397.2 1151.6,3397.2
GND on Bottom "GND_L04_P108" (hatched Horizontal grid 4 track 5, remove dead copper, pour order 108): 1496.5,3403.1 1474.1,3380.7 1419.8,3312.4 1344.6,3278.3 1293.5,3227.2 1293.5,3083.8 1502.8,3083.8 1548.5,3129.5 1548.5,3403.8 1547.7,3404.6
DVDD1 on Bottom "DVDD1_L04_P104" (hatched Horizontal grid 4 track 5, remove dead copper, pour order 104): 2372.7,3883.4 2376.4,3879.7 2376.4,3761.3 2614.3,3761.3 2617.4,3764.4 2617.4,3887.1
DVDD1 on Bottom "DVDD1_L04_P103" (hatched Horizontal grid 4 track 5, remove dead copper, pour order 103): 1171.9,3269.2 1167.8,3265.1 1167.8,3244.8 1142.4,3244.8 1126.9,3229.3 1126.9,3104.5 1268.35,3104.5 1272.44,3108.6 1265.2,3115.85 1265.2,3198.2 1190.6,3272.8
VCCBAT on Bottom "VCCBAT_L04_P087" (hatched Horizontal grid 4 track 5, remove dead copper, pour order 87): 325.5,3825.5 653.3,3825.5 671.5,3807.3 671.5,3597.7 310.9,3597.7 304.8,3603.8
GND on Bottom "GND_L04_P102" (hatched Horizontal grid 4 track 5, remove dead copper, pour order 102): 4402.7,3271.1 4402.7,3198.9 4479.4,3122.2 4871.2,3122.2 4915.4,3166.4 4904.6,3177.2 4904.6,3262.1 4558.8,3262.1 4528.1,3292.8 4524.5,3292.8
VCCBAT on Bottom "VCCBAT_L04_P100" (hatched Horizontal grid 4 track 5, remove dead copper, pour order 100): 4944.3,3904.8 5167.3,3904.8 5187.1,3885 5187.1,3532.9 5150.1,3532.9 5124.2,3507 5116.3,3514.9 4998.5,3514.9
NetC32_2 on Bottom "NETC32_2_L04_P099" (hatched Horizontal grid 4 track 5, remove dead copper, pour order 99): 4557.7,3519.7 4565.47,3511.93 4565.47,3484.53 4571.97,3484.53 4647.7,3408.8 4704.7,3408.8 4704.7,3284.1 4731.9,3256.9 4849.2,3256.9 4849.2,3478.9 4798.1,3530 4616.6,3530
"L B1" on Bottom "L_B1_L04_P098" (hatched Horizontal grid 4 track 5, remove dead copper, pour order 98): 4017.7,3908.6 4008.36,3899.27 4008.36,3677.46 4051.69,3677.46 4108.66,3620.5 4270.3,3620.5 4271.6,3619.2 4271.6,3506 4331.5,3506 4342.1,3495.4 4389.4,3495.4 4405.79,3511.79 4405.79,3894.61 4393.19,3894.61 4363.2,3924.6
GND on Bottom "GND_L04_P097" (hatched Horizontal grid 4 track 5, remove dead copper, pour order 97): 4122.9,3623 4126.7,3619.2 4271.6,3619.2 4271.6,3506 4256.4,3490.8 4085.5,3490.8 4085.5,3563.7 4096.1,3574.3
"L A1" on Bottom "L_A1_L04_P096" (hatched Horizontal grid 4 track 5, remove dead copper, pour order 96): 4455.21,3917.29 4456.6,3915.9 4860.9,3915.9 4860.9,3807.22 4897.32,3770.8 4944.2,3770.8 4944.2,3645.86 4932.48,3634.13 4929.97,3636.64 4676.53,3636.64 4666.93,3627.03 4666.93,3531.77 4473.47,3531.77 4457.5,3515.8
GND on Bottom "GND_L04_P095" (hatched Horizontal grid 4 track 5, remove dead copper, pour order 95): 4709.6,3613.3 4706.5,3610.2 4706.5,3512.8 5006.4,3512.8 5008.9,3510.3 5008.9,3634.4 4726.2,3634.4 4706.8,3615
VCCBAT on Bottom "VCCBAT_L04_P094" (hatched Horizontal grid 4 track 5, remove dead copper, pour order 94): 3187,3905.7 3992.5,3905.7 3992.5,3643.7 3221.7,3643.7 3210.1,3655.3
GND on Bottom "GND_L04_P093" (hatched Horizontal grid 4 track 5, remove dead copper, pour order 93): 798.5,3584.8 798.5,3558.1 789.4,3549 732.1,3549 732.1,3504.5 859.4,3377.2 961.1,3377.2 961.1,3611.7 956.7,3616.1 799.7,3616.1
GND on Bottom "GND_L04_P092" (hatched Horizontal grid 4 track 5, remove dead copper, pour order 92): 398.2,2948.4 402.3,2944.3 591.3,2944.3 591.3,2768.9 591.9,2768.3 377.8,2768.3
Q3V3 on Bottom "Q3V3_L04_P090" (hatched Horizontal grid 4 track 5, remove dead copper, pour order 90): 276.41,1338.71 312,1374.3 592.8,1374.3 738.3,1228.8 738.3,1178 239.58,1178
VCCBAT on Bottom "VCCBAT_L04_P089" (hatched Horizontal grid 4 track 5, remove dead copper, pour order 89): 525.1,1592.1 531.2,1598.2 823,1598.2 823,1509.8 912.3,1420.5 873,1381.2 873,1376.6 530.5,1376.6 503.6,1403.5
VCCBAT on Bottom "VCCBAT_L04_P086" (hatched Horizontal grid 4 track 5, remove dead copper, pour order 86): 236.6,3583.1 258.5,3561.2 536.3,3561.2 536.3,3460 539.9,3456.4 522.9,3439.4 259.8,3439.4
"R B1" on Bottom "R_B1_L04_P081" (hatched Horizontal grid 4 track 5, remove dead copper, pour order 81): 961.9,3502 961.1,3501.2 961.1,3377.2 1103.4,3377.2 1091.5,3389.1 1091.5,3482.3
GND on Bottom "GND_L04_P083" (hatched Horizontal grid 4 track 5, remove dead copper, pour order 83): 1342.2,3629.5 1346.9,3634.2 1642.3,3634.2 1642.3,3548.9 1625.8,3532.4 1371,3532.4
"R B1" on Bottom "R_B1_L04_P080" (hatched Horizontal grid 4 track 5, remove dead copper, pour order 80): 679.05,3846.05 690.7,3857.7 1075.5,3857.7 1105,3828.2 1105,3401.7 1083.6,3380.3 961.9,3502 961.9,3599.3 783.3,3599.3 719.9,3662.7 669.51,3662.7
Q3V31 on Bottom "Q3V31_L04_P078" (hatched Horizontal grid 4 track 5, remove dead copper, pour order 78): 257,3450.8 259.8,3448 485.5,3448 485.5,3248 461.6,3224.1 247.8,3224.1
C26 on Bottom "C26_L04_P076" (hatched Horizontal grid 4 track 5, remove dead copper, pour order 76): 5003.7,1403 5019.1,1403 5109.7,1403 5109.7,1319 5104.3,1313.6 5083.3,1313.6 5010.3,1313.6
VCC_OUT on Bottom "VCC_OUT_L04_P060" (hatched Horizontal grid 4 track 5, remove dead copper, pour order 60): 4421.9,2282.6 4440.5,2301.2 4890.1,2301.2 4890.1,2148.8 4834.4,2093.1 4412.6,2093.1
GND on Bottom "GND_L04_P015" (hatched Horizontal grid 4 track 5, remove dead copper, pour order 15): 313.8,2313.6 482.2,2313.6 490,2321.4 512.3,2299.1 512.3,1722.4 477.7,1687.8 47.2,1687.8 47.2,1862.9 22.6,1887.5 141.45,1928.25 297.05,1937.65
NetD1_A on Bottom "NETD1_A_L04_P003" (hatched Horizontal grid 4 track 5, remove dead copper, pour order 3): 61.7,2643.4 476.56,2643.4 478.78,2460.54 24.4,2458.83
GND on GND02 (split plane): 5479.9,20.1 20.1,20.1 20.09,3914.9 5479.9,3914.9
VCCBAT on PWR03 (split plane): 5479.9,3667.3 5180.5,3667.3 5178.55,3666.91 5177.95,3666.51 5177.35,3666.91 5175.4,3667.3 5173.45,3666.91 5171.8,3665.8 5170.69,3664.15 5170.3,3662.2 5170.3,3225.31 5160.99,3216 4917.3,3216 4915.35,3215.61 4913.7,3214.5 4912.59,3212.85 4912.2,3210.9 4912.59,3208.95 4912.99,3208.35 4912.59,3207.75 4912.2,3205.8 4912.2,2767.51 4852.58,2707.89 3947.5,2707.89 3947.41,2708.35 3946.3,2710 3944.65,2711.11 3942.7,2711.5 3940.75,2711.11 3939.1,2710 3803.99,2574.9 3691.71,2574.9 3776.1,2659.3 3777.21,2660.95 3777.6,2662.9 3777.6,2982.9 3777.21,2984.85 3776.1,2986.5 3719.8,3042.8 3718.15,3043.91 3716.2,3044.3 3714.25,3043.91 3712.6,3042.8 3639.8,3115.6 3638.14,3116.71 3636.19,3117.1 1150.2,3117.1 1148.25,3116.71 1146.6,3115.6 1145.49,3113.95 1145.1,3112 1145.1,2616.7 1145.49,2614.75 1146.6,2613.1 1198.59,2561.1 1200.25,2559.99 1202.2,2559.6 1689.4,2559.6 1689.4,2050 1689.79,2048.05 1690.9,2046.4 1835.5,1901.8 1837.15,1900.69 1839.1,1900.3 4256.3,1900.3 4258.25,1900.69 4258.55,1900.89 4260.5,1900.5 4262.45,1900.89 4264.1,1902 4265.21,1903.65 4265.6,1905.6 4265.6,2060.79 4350.81,2146 5062.48,2146 5062.4,2145.6 5062.4,1818.68 5062.3,1818.6 5061.19,1816.95 5060.8,1815 5060.8,353.1 5061.19,351.15 5062.3,349.5 5139.2,272.6 5140.85,271.49 5142.8,271.1 5479.9,271.1 5479.9,20.1 20.1,20.1 20.09,3914.9 5479.9,3914.9
VCC_5V_EXT on PWR03 (split plane): 5479.9,281.51 5479.69,281.3 5144.91,281.3 5071,355.21 5071,1787.32 5071.1,1787.4 5072.21,1789.05 5072.6,1791 5072.6,2143.49 5076.6,2147.5 5077.71,2149.15 5078.1,2151.1 5077.71,2153.05 5076.6,2154.7 5074.95,2155.81 5073,2156.2 4348.7,2156.2 4346.75,2155.81 4345.1,2154.7 4256.9,2066.5 4255.79,2064.85 4255.4,2062.9 4255.4,1910.5 1841.21,1910.5 1699.6,2052.11 1699.6,2559.6 3674.3,2559.6 3676.25,2559.99 3677.91,2561.1 3681.51,2564.7 3806.1,2564.7 3808.05,2565.09 3809.7,2566.2 3940.12,2696.61 3940.75,2696.19 3942.7,2695.8 3944.65,2696.19 3946.3,2697.3 3946.57,2697.7 4854.7,2697.7 4856.65,2698.09 4858.3,2699.19 4920.9,2761.8 4922.01,2763.45 4922.4,2765.4 4922.4,3205.8 5163.1,3205.8 5165.05,3206.19 5166.7,3207.3 5179,3219.6 5180.11,3221.25 5180.5,3223.2 5180.5,3657.1 5479.9,3657.1
VCC_5V on PWR03 (split plane): 3708.99,3031.99 3710.64,3030.89 3712.6,3030.5 3714.55,3030.89 3716.2,3031.99 3767.4,2980.79 3767.4,2665.01 3677.29,2574.9 1694.5,2574.9 1692.55,2574.51 1690.9,2573.4 1689.79,2571.75 1689.4,2569.8 1204.31,2569.8 1155.3,2618.81 1155.3,3106.9 3634.08,3106.9

## Other copper
PWR03 (plane layer: these items are gaps in the copper):
  lines w10: 3712.6,3035.6 3636.19,3112 1150.2,3112 1150.2,2616.7 1202.2,2564.7 3674.3,2564.7 3772.5,2662.9 3772.5,2982.9 3716.2,3039.2 ; 3942.7,2700.9 3942.7,2706.4 3806.1,2569.8 1694.5,2569.8 1694.5,2050 1839.1,1905.4 4256.3,1905.4 ; 3946.3,2702.8 4854.7,2702.8 4917.3,2765.4 4917.3,3205.8 ; 4260.5,1905.6 4260.5,2062.9 4348.7,2151.1 5073,2151.1 5067.5,2145.6 5067.5,1791 ; 4917.3,3210.9 5163.1,3210.9 5175.4,3223.2 5175.4,3662.2 ; 5065.9,1815 5065.9,353.1 5142.8,276.2 5481.8,276.2 5493.8,288.2 5493.8,3650.9 5482.5,3662.2 5180.5,3662.2

## Silkscreen, mask and mechanical layers (free items; w line width, h text height)
Top Solder:
  drawing of 543 lines, arcs and shapes, not listed
Mechanical 1:
  lines w10: 0,0 5500,0 5500,3930 0,3930 0,0

## Text inside footprints (layer, text, board x,y; h text height)
TR_POWER1: Top Overlay "EN" at 4647.31,2048.96 h31.5; Top Overlay "IN+" at 4647.31,1947.78 h31.5; Top Overlay "IN-" at 4647.31,1596.21 h31.5; Top Overlay "OUT-" at 4196.13,1602.51 h31.5; Top Overlay "OUT+" at 4196.13,2000.93 h31.5
transer_1: Top Overlay "EN" at 4056.41,1343.86 h31.5; Top Overlay "IN+" at 4056.41,1242.68 h31.5; Top Overlay "IN-" at 4056.41,891.11 h31.5; Top Overlay "OUT-" at 3605.23,897.41 h31.5; Top Overlay "OUT+" at 3605.23,1295.83 h31.5
transer_2: Top Overlay "OUT+" at 2541.33,1104.37 h31.5; Top Overlay "OUT-" at 2541.33,705.94 h31.5; Top Overlay "IN-" at 2992.51,699.65 h31.5; Top Overlay "IN+" at 2992.51,1051.22 h31.5; Top Overlay "EN" at 2992.51,1152.4 h31.5
transer_3: Top Overlay "IN+" at 1904.28,792.29 h31.5 r270; Top Overlay "OUT-" at 1559.01,1243.47 h31.5 r270; Top Overlay "EN" at 2005.46,792.29 h31.5 r270; Top Overlay "IN-" at 1554.9,760.4 h31.5 r270; Top Overlay "OUT+" at 1957.43,1243.47 h31.5 r270
Transer_4: Top Overlay "OUTPUT SY" at 4153.23,2731.11 h31.5; Top Overlay "INPUT" at 4713.23,2676.11 h31.5; Top Overlay "VIN" at 4683.23,2826.11 h31.5; Top Overlay "GND" at 4663.23,2526.11 h31.5; Top Overlay "GND" at 4233.23,2551.11 h31.5; Top Overlay "EN" at 4688.23,2926.11 h31.5; Top Overlay "OUT" at 4238.23,2896.11 h31.5